# KiCad board SP110Duo.kicad_pcb (continued)
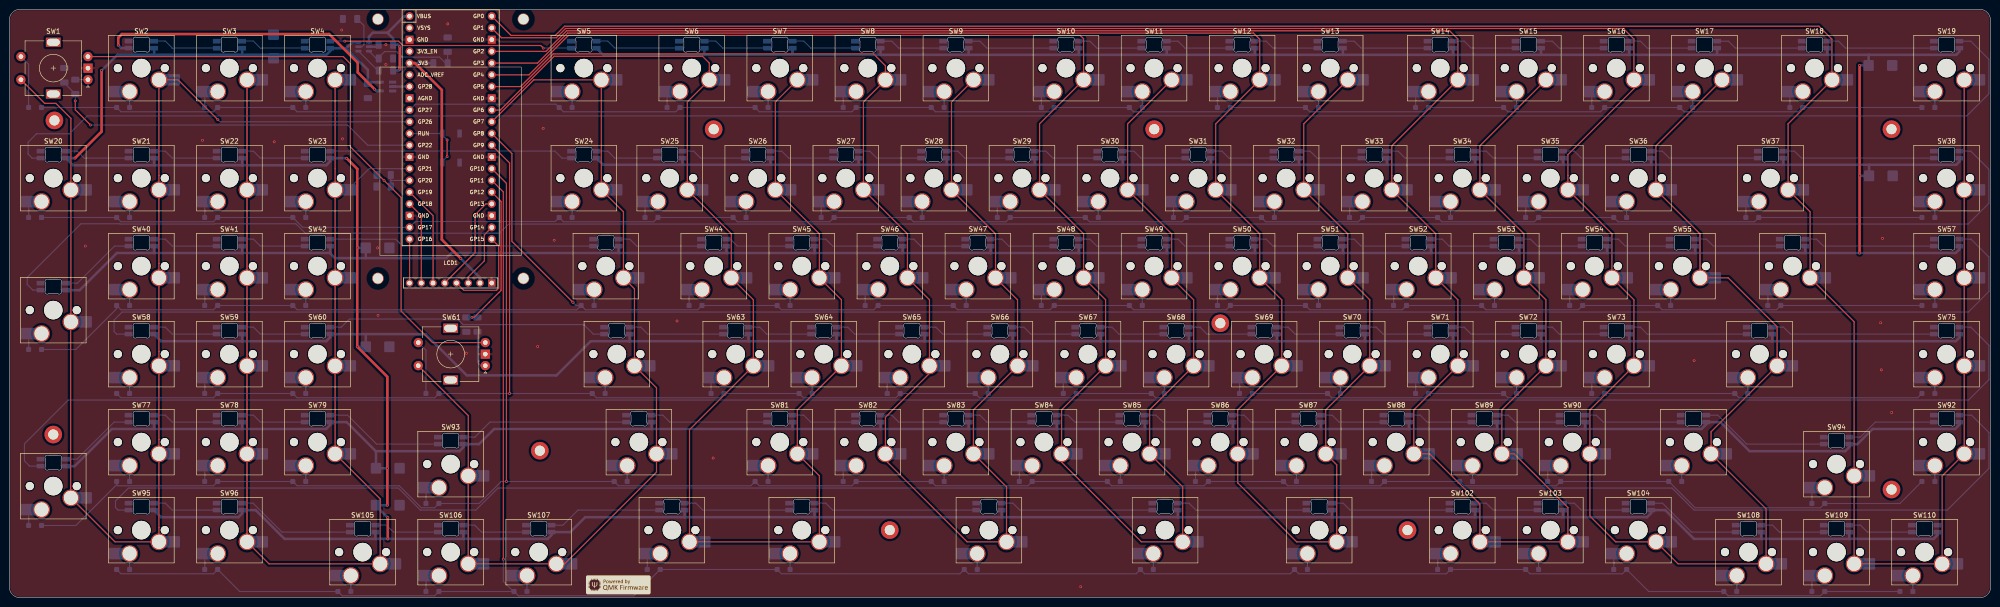
[diagram p0: board, top side]
## Routing (per net, layer and track width the routed paths; a pad name or vN(x,y) marks a point on that pad's centre or on a via; arc(x,y) is an arc through that point) (continued)
Net-(D17-A): length 3.4
  Bottom w0.25: SW17.2 D17.2
Net-(D18-K): length 3.5
  Bottom w0.25: SW18.2 385.21,106.16 D18.1
Net-(D19-A): length 3.4
  Bottom w0.25: SW19.2 D19.2
Net-(D20-K): length 3.5
  Bottom w0.25: SW20.2 4.21,82.34 D20.1
Net-(D21-A): length 3.4
  Bottom w0.25: SW21.2 D21.2
Net-(D22-K): length 3.5
  Bottom w0.25: SW22.2 42.31,82.34 D22.1
Net-(D23-A): length 3.4
  Bottom w0.25: 64.14,85.77 D23.2
Net-(D24-A): length 3.4
  Bottom w0.25: SW24.2 D24.2
Net-(D25-K): length 3.5
  Bottom w0.25: 137.54,82.32 137.56,82.34 SW25.2
Net-(D26-A): length 3.4
  Bottom w0.25: SW26.2 D26.2
Net-(D27-K): length 3.5
  Bottom w0.25: D27.1 175.66,82.34 SW27.2
Net-(D28-A): length 3.4
  Bottom w0.25: SW28.2 D28.2
Net-(D29-K): length 3.5
  Bottom w0.25: SW29.2 213.76,82.34 D29.1
Net-(D30-A): length 3.4
  Bottom w0.25: D30.2 SW30.2
Net-(D31-K): length 3.5
  Bottom w0.25: D31.1 251.86,82.34 SW31.2
Net-(D32-A): length 3.4
  Bottom w0.25: SW32.2 D32.2
Net-(D33-K): length 3.5
  Bottom w0.25: D33.1 289.96,82.34 SW33.2
Net-(D34-A): length 3.4
  Bottom w0.25: D34.2 SW34.2
Net-(D35-K): length 3.5
  Bottom w0.25: D35.1 328.06,82.34 SW35.2
Net-(D36-A): length 3.4
  Bottom w0.25: SW36.2 D36.2
Net-(D37-K): length 3.5
  Bottom w0.25: D37.1 375.68,82.34 SW37.2
Net-(D38-A): length 3.4
  Bottom w0.25: SW38.2 D38.2
Net-(D39-K): length 3.5
  Bottom w0.25: SW39.2 4.21,53.77 D39.1
Net-(D40-A): length 3.4
  Bottom w0.25: SW40.2 D40.2
Net-(D41-K): length 3.5
  Bottom w0.25: D41.1 42.31,63.29 SW41.2
Net-(D42-A): length 3.4
  Bottom w0.25: 64.14,66.72 D42.2
Net-(D43-A): length 3.4
  Bottom w0.25: SW43.2 D43.2
Net-(D44-K): length 3.5
  Bottom w0.25: SW44.2 147.08,63.29 D44.1
Net-(D45-A): length 3.4
  Bottom w0.25: SW45.2 D45.2
Net-(D46-K): length 3.5
  Bottom w0.25: D46.1 185.18,63.29 SW46.2
Net-(D47-A): length 3.4
  Bottom w0.25: SW47.2 D47.2
Net-(D48-K): length 3.5
  Bottom w0.25: D48.1 223.28,63.29 SW48.2
Net-(D49-A): length 3.4
  Bottom w0.25: SW49.2 D49.2
Net-(D50-K): length 3.5
  Bottom w0.25: SW50.2 261.38,63.29 D50.1
Net-(D51-A): length 3.4
  Bottom w0.25: SW51.2 D51.2
Net-(D52-K): length 3.5
  Bottom w0.25: D52.1 299.48,63.29 SW52.2
Net-(D53-A): length 3.4
  Bottom w0.25: SW53.2 D53.2
Net-(D54-K): length 3.5
  Bottom w0.25: SW54.2 337.56,66.7 D54.1
Net-(D55-A): length 3.4
  Bottom w0.25: SW55.2 D55.2
Net-(D56-K): length 3.5
  Bottom w0.25: SW56.2 380.44,63.29 D56.1
Net-(D57-A): length 3.4
  Bottom w0.25: SW57.2 D57.2
Net-(D58-A): length 3.4
  Bottom w0.25: SW58.2 D58.2
Net-(D59-K): length 3.5
  Bottom w0.25: SW59.2 42.31,44.24 D59.1
Net-(D60-A): length 3.4
  Bottom w0.25: 64.14,47.67 D60.2
Net-(D61-K): length 11.7
  Bottom w0.25: D61.1 90.15,53.59 SW61.S1
Net-(D62-A): length 3.4
  Bottom w0.25: 128.91,44.22 128.91,47.67
Net-(D63-K): length 3.5
  Bottom w0.25: SW63.2 151.82,47.65 D63.1
Net-(D64-A): length 3.4
  Bottom w0.25: D64.2 SW64.2
Net-(D65-K): length 3.5
  Bottom w0.25: SW65.2 189.92,47.65 D65.1
Net-(D66-A): length 3.4
  Bottom w0.25: D66.2 SW66.2
Net-(D67-K): length 3.5
  Bottom w0.25: D67.1 228.02,47.65 SW67.2
Net-(D68-A): length 3.4
  Bottom w0.25: D68.2 SW68.2
Net-(D69-K): length 3.5
  Bottom w0.25: SW69.2 266.14,44.24 D69.1
Net-(D70-A): length 3.4
  Bottom w0.25: D70.2 SW70.2
Net-(D71-K): length 3.5
  Bottom w0.25: D71.1 304.24,44.24 SW71.2
Net-(D72-A): length 3.4
  Bottom w0.25: SW72.2 D72.2
Net-(D73-K): length 3.5
  Bottom w0.25: D73.1 342.34,44.24 SW73.2
Net-(D74-A): length 3.4
  Bottom w0.25: SW74.2 D74.2
Net-(D75-A): length 3.4
  Bottom w0.25: SW75.2 D75.2
Net-(D76-K): length 3.5
  Bottom w0.25: D76.1 4.21,15.67 SW76.2
Net-(D77-A): length 3.4
  Bottom w0.25: SW77.2 D77.2
Net-(D78-K): length 3.5
  Bottom w0.25: SW78.2 42.31,25.19 D78.1
Net-(D79-A): length 3.4
  Bottom w0.25: 64.14,28.62 D79.2
Net-(D80-A): length 3.4
  Bottom w0.25: SW80.2 D80.2
Net-(D81-A): length 3.4
  Bottom w0.25: SW81.2 D81.2
Net-(D82-K): length 3.5
  Bottom w0.25: D82.1 180.42,25.19 SW82.2
Net-(D83-A): length 3.4
  Bottom w0.25: SW83.2 D83.2
Net-(D84-K): length 3.5
  Bottom w0.25: SW84.2 218.52,25.19 D84.1
Net-(D85-A): length 3.4
  Bottom w0.25: SW85.2 D85.2
Net-(D86-K): length 3.5
  Bottom w0.25: SW86.2 256.62,25.19 D86.1
Net-(D87-A): length 3.4
  Bottom w0.25: SW87.2 D87.2
Net-(D88-K): length 3.5
  Bottom w0.25: SW88.2 294.7,28.6 D88.1
Net-(D89-A): length 3.4
  Bottom w0.25: SW89.2 D89.2
Net-(D90-K): length 3.5
  Bottom w0.25: D90.1 332.82,25.19 SW90.2
Net-(D91-A): length 3.4
  Bottom w0.25: SW91.2 D91.2
Net-(D92-A): length 3.4
  Bottom w0.25: SW92.2 D92.2
Net-(D93-K): length 3.5
  Bottom w0.25: SW93.2 90.17,20.43 D93.1
Net-(D94-K): length 3.5
  Bottom w0.25: D94.1 389.97,20.43 SW94.2
Net-(D95-A): length 3.4
  Bottom w0.25: SW95.2 D95.2
Net-(D96-K): length 3.5
  Bottom w0.25: D96.1 42.31,6.14 SW96.2
Net-(D97-K): length 3.5
  Bottom w0.25: SW97.2 138.03,6.14 D97.1
Net-(D98-A): length 3.4
  Bottom w0.25: SW98.2 D98.2
Net-(D99-A): length 3.4
  Bottom w0.25: SW99.2 D99.2
Net-(D100-A): length 3.4
  Bottom w0.25: SW100.2 D100.2
Net-(D101-A): length 3.4
  Bottom w0.25: SW101.2 D101.2
Net-(D102-K): length 3.5
  Bottom w0.25: SW102.2 309.01,6.14 D102.1
Net-(D103-A): length 3.4
  Bottom w0.25: D103.2 SW103.2
Net-(D104-K): length 3.5
  Bottom w0.25: 347.11,9.57 347.11,6.14 D104.1
Net-(D105-A): length 3.4
  Bottom w0.25: SW105.2 D105.2
Net-(D106-K): length 3.5
  Bottom w0.25: SW106.2 90.17,1.38 D106.1
Net-(D107-A): length 3.4
  Bottom w0.25: SW107.2 D107.2
Net-(D108-A): length 3.4
  Bottom w0.25: D108.2 SW108.2
Net-(D109-K): length 3.5
  Bottom w0.25: SW109.2 389.97,1.38 D109.1
Net-(D110-A): length 3.4
  Bottom w0.25: SW110.2 D110.2
Net-(SW2-DOUT): length 14.2
  Bottom w0.25: SW3.5 35.26,118.99 33.76,120.49 SW2.4
Net-(SW3-DOUT): length 14.2
  Bottom w0.25: SW3.4 52.81,120.49 54.31,118.99 SW4.5
Net-(SW4-DOUT): length 52.8
  Top w0.25: v1(72.58,120.49) 84.23,120.49 85.16,119.56 114.96,119.56 v1(115.53,118.99)
  Bottom w0.25: v1(115.53,118.99) SW5.5 ; v1(72.58,120.49) 69.48,120.49 ; 69.48,120.44 SW4.4
Net-(SW5-DOUT): length 18.5
  Bottom w0.25: SW5.4 129.49,120.49 130.99,118.99 SW6.5
Net-(SW6-DOUT): length 14.2
  Bottom w0.25: SW6.4 152.82,120.49 154.32,118.99 SW7.5
Net-(SW7-DOUT): length 14.2
  Bottom w0.25: SW7.4 171.87,120.49 173.37,118.99 SW8.5
Net-(SW8-DOUT): length 14.2
  Bottom w0.25: SW9.5 192.42,118.99 190.92,120.49 SW8.4
Net-(SW10-DIN): length 18.9
  Bottom w0.25: SW10.5 211.47,118.99 209.97,120.49 SW9.4
Net-(SW10-DOUT): length 14.2
  Bottom w0.25: SW11.5 235.29,118.99 233.79,120.49 SW10.4
Net-(SW11-DOUT): length 14.2
  Bottom w0.25: SW11.4 252.84,120.49 254.34,118.99 SW12.5
Net-(SW12-DOUT): length 14.2
  Bottom w0.25: SW12.4 271.89,120.49 273.39,118.99 SW13.5
Net-(SW13-DOUT): length 18.9
  Bottom w0.25: SW13.4 290.94,120.49 292.44,118.99 SW14.5
Net-(SW14-DOUT): length 14.2
  Bottom w0.25: SW15.5 316.25,118.99 314.75,120.49 SW14.4
Net-(SW15-DOUT): length 14.2
  Bottom w0.25: SW16.5 335.3,118.99 333.8,120.49 SW15.4
Net-(SW16-DOUT): length 14.2
  Bottom w0.25: SW16.4 352.85,120.49 354.35,118.99 SW17.5
Net-(SW17-DOUT): length 18.9
  Bottom w0.25: SW18.5 373.4,118.99 371.9,120.49 SW17.4
Net-(SW18-DOUT): length 23.7
  Bottom w0.25: SW19.5 397.21,118.99 395.71,120.49 SW18.4
Net-(SW19-DOUT): length 449.6
  Bottom w0.25: SW20.5 4.94,95.18 4.08,96.03 4.08,98.63 5.88,100.44 12.98,100.44 16.86,104.32 423.46,104.32 428.26,109.11 428.26,116.56 424.33,120.49 SW19.4
Net-(SW20-DOUT): length 14.2
  Bottom w0.25: SW20.4 14.71,96.68 16.21,95.18 SW21.5
Net-(SW21-DOUT): length 14.2
  Bottom w0.25: SW22.5 35.26,95.18 33.76,96.68 SW21.4
Net-(SW22-DOUT): length 14.2
  Bottom w0.25: SW22.4 52.81,96.68 54.31,95.18 SW23.5
Net-(SW23-DOUT): length 52.8
  Bottom w0.25: SW24.5 119.56,95.18 118.04,96.7 69.43,96.7
Net-(SW24-DOUT): length 13.7
  Bottom w0.25: SW24.4 129.49,96.68 130.99,95.18 SW25.5
Net-(SW25-DOUT): length 14.2
  Bottom w0.25: SW25.4 148.06,96.68 149.56,95.18 SW26.5
Net-(SW26-DOUT): length 14.2
  Bottom w0.25: SW27.5 168.61,95.18 167.11,96.68 SW26.4
Net-(SW27-DOUT): length 14.2
  Bottom w0.25: SW27.4 186.16,96.68 187.66,95.18 SW28.5
Net-(SW28-DOUT): length 14.2
  Bottom w0.25: SW28.4 205.21,96.68 206.71,95.18 SW29.5
Net-(SW29-DOUT): length 14.2
  Bottom w0.25: SW30.5 225.76,95.18 224.26,96.68 SW29.4
Net-(SW30-DOUT): length 14.2
  Bottom w0.25: SW30.4 243.31,96.68 244.81,95.18 SW31.5
Net-(SW31-DOUT): length 14.2
  Bottom w0.25: SW31.4 262.36,96.68 263.86,95.18 SW32.5
Net-(SW32-DOUT): length 14.2
  Bottom w0.25: SW32.4 281.41,96.68 282.91,95.18 SW33.5
Net-(SW33-DOUT): length 14.2
  Bottom w0.25: SW33.4 300.46,96.68 301.96,95.18 SW34.5
Net-(SW34-DOUT): length 14.2
  Bottom w0.25: SW34.4 319.51,96.68 321.01,95.18 SW35.5
Net-(SW35-DOUT): length 14.2
  Bottom w0.25: SW36.5 340.06,95.18 338.56,96.68 SW35.4
Net-(SW36-DOUT): length 23.7
  Bottom w0.25: SW37.5 359.11,95.18 357.61,96.68 SW36.4
Net-(SW37-DOUT): length 33.2
  Bottom w0.25: SW37.4 386.19,96.68 387.69,95.18 SW38.5
Net-(SW38-DOUT): length 453.1
  Bottom w0.25: 63.99,78.92 106.02,78.92 108,80.9 423.75,80.9 428.26,85.41 428.26,92.76 424.34,96.68 SW38.4 ; SW39.5 5.12,66.6 3.88,67.83 3.88,69.33 15.52,80.97 23.88,80.97 23.95,80.9 44.37,80.9 44.44,80.97 61.98,80.97 63.99,78.96
Net-(SW39-DOUT): length 16.9
  Bottom w0.25: SW40.5 22.78,76.13 14.75,68.1 SW39.4
Net-(SW40-DOUT): length 14.2
  Bottom w0.25: SW40.4 33.76,77.63 35.26,76.13 SW41.5
Net-(SW41-DOUT): length 14.2
  Bottom w0.25: SW41.4 52.81,77.63 54.31,76.13 SW42.5
Net-(SW42-DOUT): length 57.5
  Bottom w0.25: SW42.4 83.59,77.63 85.09,76.13 SW43.5
Net-(SW43-DOUT): length 18.5
  Bottom w0.25: SW44.5 135.75,76.13 134.25,77.63 SW43.4
Net-(SW44-DOUT): length 14.2
  Bottom w0.25: SW44.4 156,77.63 157.5,76.13 SW45.5
Net-(SW45-DOUT): length 14.2
  Bottom w0.25: SW45.4 176.64,77.63 178.14,76.13 SW46.5
Net-(SW46-DOUT): length 14.2
  Bottom w0.25: SW46.4 195.69,77.63 197.19,76.13 SW47.5
Net-(SW47-DOUT): length 14.2
  Bottom w0.25: SW47.4 214.74,77.63 216.24,76.13 SW48.5
Net-(SW48-DOUT): length 14.2
  Bottom w0.25: SW48.4 233.79,77.63 235.29,76.13 SW49.5
Net-(SW49-DOUT): length 14.2
  Bottom w0.25: SW50.5 254.34,76.13 252.84,77.63 SW49.4
Net-(SW50-DOUT): length 14.2
  Bottom w0.25: SW50.4 271.89,77.63 273.39,76.13 SW51.5
Net-(SW51-DOUT): length 14.2
  Bottom w0.25: SW51.4 290.94,77.63 292.44,76.13 SW52.5
Net-(SW52-DOUT): length 14.2
  Bottom w0.25: SW53.5 311.49,76.13 309.99,77.63 SW52.4
Net-(SW53-DOUT): length 14.2
  Bottom w0.25: SW53.4 329.09,77.63 330.59,76.13 SW54.5
Net-(SW54-DOUT): length 14.2
  Bottom w0.25: SW55.5 349.59,76.13 348.09,77.63 SW54.4
Net-(SW55-DOUT): length 18.9
  Bottom w0.25: SW56.5 368.64,76.13 367.14,77.63 SW55.4
Net-(SW56-DOUT): length 28.5
  Bottom w0.25: SW57.5 392.45,76.13 390.95,77.63 SW56.4
Net-(SW57-DOUT): length 429.5
  Bottom w0.25: SW57.4 424.39,77.63 428.26,73.76 428.26,66.31 423.8,61.85 24.4,61.85 22.68,60.13 22.68,57.63 23.24,57.08 SW58.5
Net-(SW58-DOUT): length 14.2
  Bottom w0.25: SW58.4 33.76,58.58 35.26,57.08 SW59.5
Net-(SW59-DOUT): length 14.2
  Bottom w0.25: SW59.4 52.81,58.58 54.31,57.08 SW60.5
Net-(SW60-DOUT): length 61.3
  Bottom w0.25: SW60.4 71.83,58.58 73.58,60.33 96.98,60.33 98.18,59.13 124.28,59.13 126.34,57.08 SW62.5
Net-(SW62-DOUT): length 20.8
  Bottom w0.25: SW62.4 136.63,58.58 138.13,57.08 SW63.5
Net-(SW63-DOUT): length 14.2
  Bottom w0.25: SW63.4 162.35,58.58 163.85,57.08 SW64.5
Net-(SW64-DOUT): length 14.2
  Bottom w0.25: SW64.4 181.4,58.58 182.9,57.08 SW65.5
Net-(SW65-DOUT): length 14.2
  Bottom w0.25: SW66.5 201.95,57.08 200.45,58.58 SW65.4
Net-(SW66-DOUT): length 14.2
  Bottom w0.25: SW66.4 219.5,58.58 221,57.08 SW67.5
Net-(SW67-DOUT): length 14.2
  Bottom w0.25: SW68.5 240.05,57.08 238.55,58.58 SW67.4
Net-(SW68-DOUT): length 14.2
  Bottom w0.25: SW68.4 257.6,58.58 259.1,57.08 SW69.5
Net-(SW69-DOUT): length 14.2
  Bottom w0.25: SW69.4 276.65,58.58 278.15,57.08 SW70.5
Net-(SW70-DOUT): length 14.2
  Bottom w0.25: SW71.5 297.2,57.08 295.7,58.58 SW70.4
Net-(SW71-DOUT): length 14.2
  Bottom w0.25: SW71.4 314.74,58.58 316.24,57.08 SW72.5
Net-(SW72-DOUT): length 14.2
  Bottom w0.25: SW72.4 333.8,58.58 335.3,57.08 SW73.5
Net-(SW73-DOUT): length 26.1
  Bottom w0.25: SW73.4 352.85,58.58 354.35,57.08 SW74.5
Net-(SW74-DOUT): length 35.6
  Bottom w0.25: SW74.4 383.81,58.58 385.31,57.08 SW75.5
Net-(SW75-DOUT): length 453.9
  Bottom w0.25: SW76.5 4.42,28.5 3.28,29.63 3.28,33.34 12.75,42.8 423.85,42.8 428.26,47.21 428.26,54.66 424.34,58.58 SW75.4
Net-(SW76-DOUT): length 16.9
  Bottom w0.25: SW76.4 14.65,30 22.68,38.03 SW77.5
Net-(SW77-DOUT): length 14.2
  Bottom w0.25: SW78.5 35.26,38.03 33.76,39.53 SW77.4
Net-(SW78-DOUT): length 14.2
  Bottom w0.25: SW78.4 52.81,39.53 54.31,38.03 SW79.5
Net-(SW79-DOUT): length 25.9
  Bottom w0.25: SW79.4 73.19,39.53 79.45,33.26 SW93.5
Net-(SW80-DIN): length 36.6
  Bottom w0.25: SW93.4 100.71,34.77 103.98,38.03 SW80.5
Net-(SW80-DOUT): length 25.6
  Bottom w0.25: SW80.4 141.39,39.53 142.89,38.03 SW81.5
Net-(SW81-DOUT): length 14.2
  Bottom w0.25: SW81.4 171.87,39.53 173.37,38.03 SW82.5
Net-(SW82-DOUT): length 14.2
  Bottom w0.25: SW83.5 192.42,38.03 190.92,39.53 SW82.4
Net-(SW83-DOUT): length 14.2
  Bottom w0.25: SW84.5 211.47,38.03 209.97,39.53 SW83.4
Net-(SW84-DOUT): length 14.2
  Bottom w0.25: SW84.4 229.02,39.53 230.52,38.03 SW85.5
Net-(SW85-DOUT): length 14.2
  Bottom w0.25: SW85.4 248.07,39.53 249.57,38.03 SW86.5
Net-(SW86-DOUT): length 14.2
  Bottom w0.25: SW86.4 267.12,39.53 268.62,38.03 SW87.5
Net-(SW87-DOUT): length 14.2
  Bottom w0.25: SW88.5 287.67,38.03 286.17,39.53 SW87.4
Net-(SW88-DOUT): length 14.2
  Bottom w0.25: SW89.5 306.72,38.03 305.22,39.53 SW88.4
Net-(SW89-DOUT): length 14.2
  Bottom w0.25: SW89.4 324.27,39.53 325.77,38.03 SW90.5
Net-(SW90-DOUT): length 21.3
  Bottom w0.25: SW91.5 344.82,38.03 343.32,39.53 SW90.4
Net-(SW91-DOUT): length 28.1
  Bottom w0.25: SW94.5 375.85,33.26 369.59,39.53 SW91.4
Net-(SW92-DIN): length 19.7
  Bottom w0.25: SW94.4 400.41,34.77 403.68,38.03 SW92.5
Net-(SW92-DOUT): length 436.3
  Bottom w0.25: SW95.5 23.54,18.98 22.98,19.53 22.98,20.94 25.8,23.75 84.16,23.75 88.93,18.98 100.94,18.98 105.7,23.75 359.71,23.75 364.47,18.98 419.23,18.98 428.26,28.01 428.26,35.76 424.49,39.53 SW92.4
Net-(SW95-DOUT): length 14.2
  Bottom w0.25: SW96.5 35.26,18.98 33.76,20.48 SW95.4
Net-(SW97-DOUT): length 23.2
  Bottom w0.25: SW98.5 150.04,18.98 148.54,20.48 SW97.4
Net-(SW98-DOUT): length 35.6
  Bottom w0.25: SW99.5 178.14,18.98 176.64,20.48 SW98.4
Net-(SW100-DIN): length 33.2
  Bottom w0.25: SW100.5 218.62,18.98 217.12,20.48 SW99.4
Net-(SW100-DOUT): length 28.5
  Bottom w0.25: SW100.4 255.22,20.48 256.72,18.98 SW101.5
Net-(SW101-DOUT): length 26.1
  Bottom w0.25: SW101.4 288.56,20.48 290.06,18.98 SW102.5
Net-(SW102-DOUT): length 14.2
  Bottom w0.25: SW103.5 321.01,18.98 319.51,20.48 SW102.4
Net-(SW103-DOUT): length 14.2
  Bottom w0.25: SW103.4 338.56,20.48 340.06,18.98 SW104.5
Net-(SW104-DOUT): length 20.9
  Bottom w0.25: SW108.5 363.9,14.22 357.64,20.48 SW104.4
Net-(SW105-DIN): length 25.9
  Bottom w0.25: SW105.5 59,14.22 52.74,20.48 SW96.4
Net-(SW105-DOUT): length 14.2
  Bottom w0.25: SW105.4 81.62,15.72 83.12,14.22 SW106.5
Net-(SW106-DOUT): length 14.2
  Bottom w0.25: SW106.4 100.67,15.72 102.17,14.22 SW107.5
Net-(SW107-DOUT): length 24.7
  Bottom w0.25: SW97.5 123.03,18.98 119.76,15.72 SW107.4
Net-(SW108-DOUT): length 14.2
  Bottom w0.25: SW108.4 381.42,15.72 382.92,14.22 SW109.5
Net-(SW109-DOUT): length 14.2
  Bottom w0.25: SW109.4 400.47,15.72 401.97,14.22 SW110.5

## Copper pours and planes (outline as drawn; the poured copper is in the pictures)
GND on Top, Bottom: -69.28,171.78 545.4,171.78 545.4,-271.45 -70.55,-271.45

## Text on the board
B.Silkscreen: JLCJLCJLCJLC
